# KiCad board keys.kicad_pcb (continued)
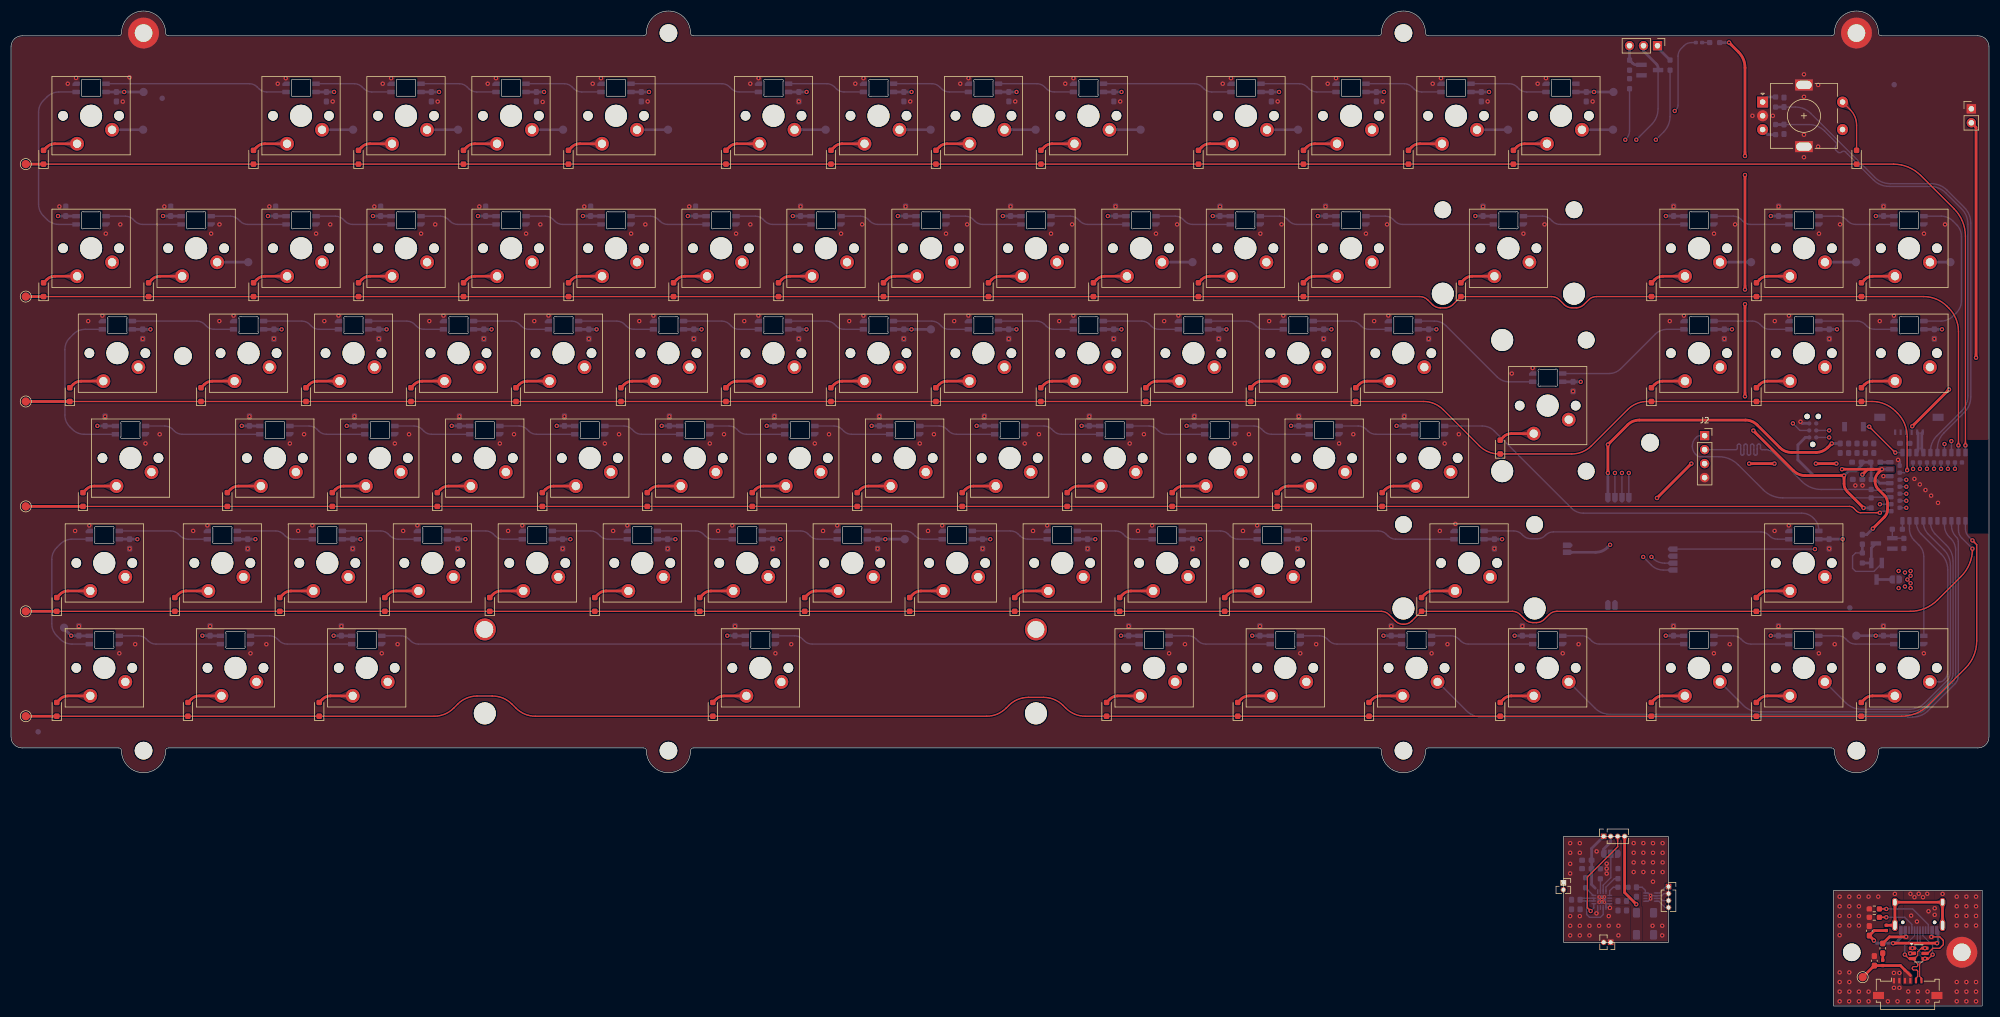
[diagram p0: board, top side]
## Routing (per net, layer and track width the routed paths; a pad name or vN(x,y) marks a point on that pad's centre or on a via; arc(x,y) is an arc through that point) (continued)
COL16: length 149.9
  In2.Cu w0.25: SW47.1 SW30.1 348.21,142.03 arc(347.83,143.94) 346.75,145.56 333.18,159.13 SW86.S1 ; SW47.1 348.28,115.93 ; SW47.1 348.21,111.87 arc(347.83,109.95) 346.75,108.33 342.41,104 arc(341.33,102.38) 340.95,100.46 340.95,87.36 arc(341.33,85.44) 342.41,83.82 346.72,79.51 arc(347.8,77.89) 348.19,75.98 SW85.1
  Bottom w0.25: SW85.1 350,58.84 arc(350.38,58.92) 350.7,59.14 350.86,59.3 arc(351.3,59.95) 351.45,60.71 351.45,79.2 arc(351.15,80.73) 350.28,82.03 346.64,85.67 arc(345.99,86.64) 345.76,87.79 U6.8
  Bottom w0.5: TP18.1 348.23,135.06 SW30.1
DCCH: length 1.7
  Bottom w0.5: U6.25 L3.1
ENCODER_A: length 88.3
  Bottom w0.25: C99.1 323.78,163.22 arc(325.31,162.92) 326.61,162.05 338.18,150.48 arc(339.48,149.61) 341.01,149.31 348.47,149.31 arc(350,149.01) 351.3,148.14 354.45,144.98 arc(355.32,143.68) 355.62,142.15 355.62,110.59 arc(355.32,109.06) 354.45,107.76 350.75,104.06 arc(349.88,102.76) 349.57,101.23 U6.35
  Bottom w0.5: R14.2 C99.1
ENCODER_B: length 87.8
  Bottom w0.25: U6.33 348.31,100.71 arc(348.61,102.24) 349.48,103.54 353.93,107.99 arc(354.8,109.29) 355.1,110.82 355.1,141.95 arc(354.8,143.48) 353.93,144.78 351.07,147.64 arc(349.77,148.51) 348.24,148.81 340.81,148.81 arc(339.28,149.11) 337.98,149.98 332.89,155.07 arc(332.54,155.21) 332.18,155.07 arc(331.83,154.92) 331.48,155.07 331.14,155.41 arc(330.99,155.76) 331.14,156.11 arc(331.28,156.47) 331.14,156.82 329.08,158.88 arc(327.79,159.74) 326.26,160.05 C100.1
  Bottom w0.5: R17.2 C100.1
LED_DATA: length 21.7
  Bottom w0.25: LED85.3 347.1,81.57 arc(346.87,82.72) 346.22,83.69 345.37,84.54 arc(344.72,85.51) 344.5,86.66 U6.9
LED_ENABLE: length 1.5
  Bottom w0.25: R12.2 343.23,86.57 U6.10
LED_PWR: length 2.8
  Bottom w0.5: Q1.3 JP1.1
LED_PWR_SJP: length 299.7
  Bottom w0.5: v1(199.03,143.44) C18.1 200.45,143.41 LED24.1 ; v1(177.7,84.76) C71.1 LED66.1 ; 328.07,122.86 C48.1 v1(331.35,122.86) ; LED10.1 C6.1 v1(96.73,165.96) ; LED7.1 C9.1 v1(163.42,165.97) ; LED15.1 29,143.41 C27.1 v1(27.57,143.44) ; v1(237.13,143.44) C16.1 238.56,143.41 LED26.1 ; LED64.1 C73.1 v1(215.8,84.76) ; v1(270.57,84.76) C75.1 LED62.1 ; v1(249.05,67.23) C83.1 250.48,67.21 LED81.1 ; v1(300.28,67.23) C85.1 301.7,67.21 LED83.1 ; v1(156.17,105.33) C57.1 157.59,105.31 LED55.1 ; v1(332.38,84.76) C76.1 LED61.1 ; LED72.1 C65.1 v1(63.4,84.76) ; v1(201.5,122.86) C42.1 LED38.1 ; v1(272.85,67.23) C84.1 274.28,67.21 LED82.1 ; v1(84.72,143.44) C24.1 86.15,143.41 LED18.1 ; LED80.1 226.65,67.21 C82.1 v1(225.23,67.23) ; LED42.1 C38.1 v1(125.3,122.86) ; LED75.1 12.34,67.21 C77.1 v1(10.92,67.23) 9.62,68.53 TP32.1 ; v1(179.98,143.44) C19.1 181.4,143.41 LED23.1 ; LED17.1 67.1,143.41 C25.1 v1(65.67,143.44) ; v1(79.97,105.33) C53.1 81.39,105.31 LED51.1 ; LED71.1 C66.1 v1(82.45,84.76) ; v1(194.27,105.33) C59.1 195.69,105.31 LED57.1 ; v1(220.56,122.86) C43.1 LED37.1 ; v1(213.32,105.33) C60.1 214.75,105.31 LED58.1 ; LED63.1 C74.1 v1(234.86,84.76) ; v1(196.75,84.76) C72.1 LED65.1 ; LED27.1 267.14,143.41 C29.1 v1(265.72,143.44) ; LED28.1 301.72,143.41 C30.1 v1(300.3,143.44) ; v1(120.55,84.76) C68.1 LED69.1 ; LED48.1 17.09,105.31 C50.1 v1(15.67,105.33) ; LED59.1 233.7,105.31 C61.1 v1(232.28,105.33) ; v1(182.46,165.97) C10.1 LED6.1 ; TP28.1 v1(163.4,122.86) C40.1 LED40.1 ; v1(103.77,143.44) C23.1 105.2,143.41 LED19.1 ; v1(137.12,105.33) C56.1 138.55,105.31 LED54.1 ; LED13.1 C3.1 v1(20.52,165.96) TP29.1 ; v1(129.98,67.23) C80.1 131.4,67.21 LED78.1 ; v1(201.51,165.97) C11.1 LED5.1 ; v1(58.62,165.96) C4.1 LED12.1 ; LED67.1 C70.1 v1(158.65,84.76) TP31.1 ; v1(319.32,67.23) C86.1 320.75,67.21 322.6,67.21 ; LED31.1 C49.1 v1(350.4,122.86) ; v1(122.82,143.44) C22.1 124.24,143.41 LED20.1 ; LED85.1 339.8,67.21 C87.1 v1(338.37,67.23) TP30.1 ; LED14.1 9.95,143.41 C28.1 v1(8.52,143.44) ; LED73.1 C64.1 v1(44.35,84.76) ; v1(49.11,122.86) C34.1 LED46.1 ; v1(249.16,165.96) C13.1 LED3.1 ; LED36.1 C44.1 v1(239.6,122.86) ; v1(41.87,105.33) C51.1 43.3,105.31 45.15,105.31 ; LED2.1 C14.1 v1(268.2,165.96) ; LED4.1 C12.1 v1(230.1,165.96) ; LED44.1 C36.1 v1(87.2,122.86) ; LED70.1 C67.1 v1(101.5,84.76) ; LED68.1 C69.1 v1(139.61,84.76) ; v1(251.42,105.33) C62.1 252.85,105.31 LED60.1 ; 217.98,143.44 C17.1 219.4,143.41 LED25.1 ; v1(319.35,143.44) C31.1 320.77,143.41 LED29.1 ; LED47.1 C33.1 v1(25.3,122.86) ; LED34.1 C46.1 v1(284.85,113.33) ; LED11.1 C5.1 v1(77.67,165.96) ; v1(144.37,165.97) C8.1 LED8.1 ; LED53.1 119.49,105.31 C55.1 v1(118.07,105.33) ; LED9.1 C7.1 v1(115.77,165.96) ; LED76.1 36.15,67.21 C78.1 v1(34.72,67.23) ; LED35.1 C45.1 v1(258.65,122.86) ; v1(312.3,122.86) C47.1 LED33.1 ; LED45.1 C35.1 v1(68.15,122.86) ; v1(60.92,105.33) C52.1 62.34,105.31 LED50.1 ; LED41.1 C39.1 v1(144.35,122.86) ; v1(175.22,105.33) C58.1 176.64,105.31 LED56.1 ; v1(141.87,143.44) C21.1 143.3,143.41 LED21.1 ; v1(106.26,122.86) C37.1 LED43.1 ; LED77.1 59.97,67.21 C79.1 v1(58.55,67.23) ; LED1.1 C15.1 v1(287.25,165.96) TP27.1 ; LED52.1 100.45,105.31 C54.1 v1(99.02,105.33) ; LED79.1 202.84,67.21 C81.1 v1(201.42,67.23) ; LED74.1 C63.1 v1(22.92,84.76) ; v1(46.62,143.44) C26.1 48.05,143.41 LED16.1 ; v1(160.93,143.44) C20.1 162.35,143.41 LED22.1 ; v1(338.4,143.44) C32.1 339.82,143.41 LED30.1 ; LED39.1 C41.1 v1(182.45,122.86)
  vias: v1(218.07,143.44) v1(342.53,78.98) v1(342.53,75.88) v1(343.68,78.71) v1(343.68,76.16) v1(344.12,77.44) v1(344.7,78.98) v1(344.7,78.11) v1(344.7,76.76) v1(344.7,75.88)
LEDS_ROW1: length 34.3
  Bottom w0.25: LED14.2 8.67,141.91 arc(7.52,142.14) 6.55,142.79 5.88,143.46 arc(5.23,144.43) 5,145.58 5,162.29 arc(5.23,163.44) 5.88,164.41 6.55,165.08 arc(7.52,165.73) 8.67,165.96 LED13.3
LEDS_ROW2: length 29.3
  Bottom w0.25: LED31.2 350.26,124.36 arc(351.41,124.59) 352.38,125.24 353.05,125.91 arc(353.7,126.88) 353.93,128.03 353.93,139.74 arc(353.7,140.89) 353.05,141.86 352.38,142.53 arc(351.41,143.18) 350.26,143.41 LED30.3
LEDS_ROW3: length 31.8
  Bottom w0.25: LED48.2 13.27,103.81 arc(12.12,104.04) 11.15,104.69 10.65,105.18 arc(10,106.15) 9.77,107.3 9.77,119.19 arc(10,120.34) 10.65,121.31 11.32,121.98 arc(12.29,122.63) 13.44,122.86 LED47.3
LEDS_ROW4: length 76.1
  Bottom w0.25: LED61.2 328.05,86.37 arc(327.82,87.52) 327.17,88.49 327.05,88.61 arc(326.08,89.26) 324.93,89.48 285.32,89.48 arc(284.17,89.71) 283.2,90.36 269.13,104.43 arc(268.16,105.08) 267.01,105.31 LED60.3
LEDS_ROW5: length 29.3
  Bottom w0.25: LED75.2 11.07,65.71 arc(9.92,65.94) 8.95,66.59 8.28,67.26 arc(7.63,68.23) 7.4,69.38 7.4,81.09 arc(7.63,82.24) 8.28,83.21 8.95,83.88 arc(9.92,84.53) 11.07,84.76 LED74.3
ROW0: length 397.8
  Top w0.25: v1(354.66,101.78) 354.65,101.79 354.65,139.79 arc(354.12,142.46) 352.6,144.74 346.53,150.81 arc(344.25,152.33) 341.58,152.86 D88.1 D13.1 D1.1
  Top w0.5: TP21.1 D1.1
  Bottom w0.25: v1(354.66,101.78) U6.43
ROW1: length 379.1
  Top w0.25: v1(353.38,101.78) 353.38,122.49 arc(352.93,124.79) 351.63,126.73 351.31,127.05 arc(349.36,128.35) 347.06,128.81 D30.1 D28.1 287.7,128.81 arc(286.94,128.66) 286.29,128.22 285.41,127.35 arc(284.76,126.91) 284,126.76 283.25,126.76 arc(282.49,126.91) 281.84,127.35 280.96,128.22 arc(280.31,128.66) 279.55,128.81 D27.1 263.1,128.81 261.64,127.35 arc(260.99,126.91) 260.22,126.76 259.35,126.76 arc(258.59,126.91) 257.94,127.35 257.06,128.22 arc(256.41,128.66) 255.65,128.81 D26.1 D14.1
  Top w0.5: TP22.1 D14.1
  Bottom w0.25: v1(353.38,101.78) U6.41
ROW2: length 359.7
  Top w0.25: v1(344.07,97.28) 344.07,103.4 arc(343.62,105.7) 342.32,107.64 341.96,108 arc(340.01,109.3) 337.71,109.76 D48.1 D46.1 296.9,109.76 arc(294.98,109.38) 293.36,108.3 286.76,101.7 arc(285.14,100.62) 283.23,100.23 D45.1 270,100.23 arc(268.08,100.62) 266.46,101.7 259.86,108.3 arc(258.24,109.38) 256.33,109.76 D44.1 D32.1
  Top w0.5: TP23.1 D32.1
  Bottom w0.25: v1(344.07,97.28) 343.62,96.83 U6.22
ROW3: length 338.8
  Top w0.25: D49.1 D61.1 333.64,90.71 arc(334.02,90.63) 334.34,90.42 334.91,89.85 arc(335.23,89.64) 335.61,89.56 v1(339.12,89.56)
  Top w0.5: TP24.1 D49.1
  Bottom w0.25: v1(339.12,89.56) 339.41,89.84 U6.11
ROW4: length 368.2
  Top w0.25: D62.1 D73.1 248.62,71.66 arc(249.39,71.51) 250.04,71.07 251.21,69.9 arc(251.86,69.46) 252.63,69.31 252.77,69.31 arc(253.54,69.46) 254.19,69.9 D74.1 272.45,71.66 arc(273.21,71.51) 273.86,71.07 274.74,70.2 arc(275.39,69.76) 276.15,69.61 276.82,69.61 arc(277.59,69.76) 278.24,70.2 279.11,71.07 arc(279.76,71.51) 280.53,71.66 D75.1 344.63,71.66 arc(347.3,72.19) 349.58,73.71 353.87,78.01 arc(355.39,80.28) 355.93,82.96 v1(355.93,83.03)
  Top w0.5: TP25.1 D62.1
  Bottom w0.25: U6.2 353.38,86.41 arc(353.54,85.65) 353.97,85 355.93,83.04 v1(355.93,83.03)
ROW5: length 387.5
  Top w0.25: v1(355.93,84.53) 356.7,83.76 356.7,66.28 arc(356.17,63.61) 354.65,61.33 347.98,54.66 arc(345.7,53.14) 343.03,52.61 D86.1 D80.1 194.95,52.61 arc(193.03,52.99) 191.41,54.07 190.91,54.57 arc(189.29,55.65) 187.38,56.03 184.6,56.03 arc(182.68,55.65) 181.06,54.57 180.56,54.07 arc(178.94,52.99) 177.03,52.61 D79.1 95.17,52.61 arc(93.26,52.99) 91.64,54.07 90.89,54.82 arc(89.27,55.9) 87.35,56.28 84.6,56.28 arc(82.68,55.9) 81.06,54.82 80.31,54.07 arc(78.69,52.99) 76.78,52.61 D78.1 D76.1
  Top w0.5: TP26.1 D76.1
  Bottom w0.25: v1(355.93,84.53) 355.24,85.22 arc(354.81,85.87) 354.66,86.63 U6.1
RST: length 30.6
  Top w0.25: v1(341.93,100.48) 341.9,100.48 v1(337.2,105.19)
  In1.Cu w0.25: v1(323.35,105.78) 323.35,106.56 arc(323.5,107.32) 323.94,107.97 324.16,108.2 arc(324.81,108.63) 325.58,108.78 334.01,108.78 arc(335.16,108.56) 336.13,107.91 336.32,107.71 arc(336.97,106.74) 337.2,105.59 v1(337.2,105.19)
  Bottom w0.25: v1(323.35,105.78) 324.63,104.5 J3.3 ; v1(337.2,105.19) SW88.2 ; v1(341.93,100.48) U6.26
SCL: length 79.9
  In2.Cu w0.25: J2.2 306.49,101.02 arc(304.96,100.72) 303.66,99.85 298.85,95.03 arc(297.98,93.73) 297.68,92.2 v1(297.68,81.53)
  Bottom w0.25: J7.3 299.71,19.15 299.34,19.52 U2.7 ; J14.3 300.04,80.41 arc(298.89,80.64) 297.92,81.29 v1(297.68,81.53) ; U6.17 337.68,93.66 R5.2 328.5,93.78 arc(326.58,94.17) 324.96,95.25 319.78,100.43 arc(319.13,100.87) 318.36,101.02 317.7,101.02 arc(317.54,101.09) 317.47,101.26 317.47,101.78 arc(317.39,101.95) 317.23,102.02 317.11,102.02 arc(316.94,101.95) 316.87,101.78 316.87,100.26 arc(316.79,100.09) 316.62,100.02 316.5,100.02 arc(316.34,100.09) 316.26,100.26 316.26,101.78 arc(316.19,101.95) 316.03,102.02 315.91,102.02 arc(315.74,101.95) 315.67,101.78 315.67,100.26 arc(315.59,100.09) 315.43,100.02 315.31,100.02 arc(315.14,100.09) 315.06,100.26 315.06,101.78 arc(314.99,101.95) 314.82,102.02 314.7,102.02 arc(314.54,101.95) 314.47,101.78 314.47,100.26 arc(314.39,100.09) 314.23,100.02 314.11,100.02 arc(313.94,100.09) 313.87,100.26 313.87,101.78 arc(313.79,101.95) 313.62,102.02 313.5,102.02 arc(313.34,101.95) 313.26,101.78 313.26,101.26 arc(313.19,101.09) 313.03,101.02 J2.2
SDA: length 79.8
  In2.Cu w0.25: v1(296.18,81.53) 296.18,93.23 arc(296.48,94.76) 297.35,96.06 303.68,102.39 arc(304.98,103.26) 306.51,103.56 J2.1
  Bottom w0.25: J7.4 300.16,17.88 299.01,19.02 U2.8 ; U6.15 337.68,92.38 R4.2 321.5,92.26 arc(319.58,92.64) 317.96,93.72 313.41,98.27 arc(311.79,99.35) 309.88,99.73 306.54,99.73 arc(306.16,99.81) 305.83,100.03 305.69,100.17 arc(305.25,100.82) 305.1,101.59 305.1,101.71 arc(305.25,102.47) 305.69,103.12 305.83,103.27 arc(306.16,103.48) 306.54,103.56 J2.1 ; J14.4 299.79,79.16 arc(298.64,79.39) 297.67,80.04 v1(296.18,81.53)
SWDCLK: length 27.3
  In1.Cu w0.25: v1(329.93,104.51) 329.98,104.46 348.96,104.46 arc(350.11,104.23) 351.08,103.58 v1(352.1,102.56)
  Bottom w0.25: U6.39 352.12,102.55 v1(352.1,102.56) ; v1(329.93,104.51) 329.92,104.5 J3.4
SWDIO: length 25.2
  In1.Cu w0.25: v1(329.93,103.23) 348.41,103.23 arc(349.56,103.01) 350.53,102.36 v1(350.85,102.03)
  Bottom w0.25: v1(350.85,102.03) 350.85,102.03 U6.37 ; J3.2 v1(329.93,103.23)
SYSOFF: length 89.9
  In2.Cu w0.25: v1(294.93,157.28) 292.51,154.87 arc(291.43,153.25) 291.05,151.34 v1(291.05,96.78)
  Bottom w0.25: Q3.3 298.88,162.89 arc(298.57,161.36) 297.7,160.06 v1(294.93,157.28) ; 291.05,92.06 v1(291.05,96.78)
  Bottom w0.5: JP2.1 289,28.49 290.28,29.77 290.28,30.79 ; Q3.3 298.88,170.32 arc(298.8,170.7) 298.58,171.03 296.24,173.38 SW87.2
USB_D+: length 22.3
  Top w0.2: 346.68,4.6 346.68,5.05 346.35,5.38 346.35,7.64 v1(347.31,8.6) 347.97,8.6 v1(348.7,9.33)
  Bottom w0.2: v1(348.7,9.33) 348.7,10.99 346.93,12.76 J1.B6 ; v1(347.31,8.6) 346.99,8.6 346.38,9.21 346.38,9.85 345.73,10.5 v1(345.04,10.5) 345.93,11.39 J1.A6
  Bottom w0.5: J5.6 346.73,104.01 346.73,101.21 arc(346.8,100.83) 347.02,100.5 U6.31
USB_D-: length 23.9
  Top w0.2: v1(347.31,10.5) 346.65,10.5 346,9.85 346,9.21 345.39,8.6 U5.3 ; 345.68,4.6 345.68,5.05 346,5.38 346,6.3 arc(345.93,6.47) 345.76,6.54 345.24,6.54 arc(345.07,6.61) 345,6.78 345,6.9 arc(345.07,7.07) 345.24,7.14 345.76,7.14 arc(345.93,7.21) 346,7.38 346,7.64 U5.3 ; U5.3 344.38,8.6 v1(343.65,9.33)
  Bottom w0.2: v1(343.65,9.33) 343.65,10.99 345.43,12.76 J1.B7 ; J1.A7 346.43,11.39 v1(347.31,10.5)
  Bottom w0.5: U6.29 345.78,100.5 arc(346,100.83) 346.07,101.21 346.07,104.01 J5.5
~{CHG}: length 106.6
  Top w0.25: 291.55,30.79 291.55,28.91 286.05,23.41 286.05,17.84 v1(286.65,17.24)
  In2.Cu w0.25: v1(292.32,96.78) 292.32,150.86 arc(292.71,152.78) 293.79,154.4 v1(301.9,162.51)
  Bottom w0.25: v1(301.9,162.51) 302.21,162.82 arc(302.42,163.14) 302.5,163.52 302.5,172.46 arc(302.65,173.22) 303.09,173.87 303.56,174.35 arc(304.21,174.78) 304.98,174.94 D87.1 ; U3.9 287.23,17.82 v1(286.65,17.24) ; 292.32,92.06 v1(292.32,96.78)
Net-(C103-Pad1): length 22
  Top w0.5: v1(338.05,11.88) 338.05,11.95 C103.1 338.11,13.69 L2.2 ; v1(341.53,11.4) v1(349.5,11.4)
  Bottom w0.5: v1(349.5,11.4) 349.68,11.57 349.68,13.49 J1.A12 ; J1.A1 342.93,12.38 341.95,11.4 v1(341.53,11.4) 338.53,11.4 v1(338.05,11.88)
Net-(D1-A): length 6.5
  Top w0.5: D1.2 6.51,155.97 arc(7.16,156.4) 7.92,156.56 SW1.2
Net-(D2-A): length 6.5
  Top w0.5: D2.2 44.61,155.97 arc(45.26,156.4) 46.02,156.56 SW2.2
Net-(D3-A): length 6.5
  Top w0.5: D3.2 63.66,155.97 arc(64.31,156.4) 65.07,156.56 SW3.2
Net-(D4-A): length 6.5
  Top w0.5: SW4.2 84.12,156.56 arc(83.36,156.4) 82.71,155.97 D4.2
Net-(D5-A): length 6.5
  Top w0.5: SW5.2 103.17,156.56 arc(102.41,156.4) 101.76,155.97 D5.2
Net-(D6-A): length 6.5
  Top w0.5: SW6.2 131.76,156.56 arc(131,156.41) 130.35,155.97 D6.2
Net-(D7-A): length 6.5
  Top w0.5: SW7.2 150.81,156.56 arc(150.05,156.41) 149.4,155.97 D7.2
Net-(D8-A): length 6.5
  Top w0.5: SW8.2 169.86,156.56 arc(169.1,156.41) 168.45,155.97 D8.2
Net-(D9-A): length 6.5
  Top w0.5: SW9.2 188.91,156.56 arc(188.15,156.41) 187.5,155.97 D9.2
Net-(D10-A): length 6.5
  Top w0.5: D10.2 216.08,155.97 arc(216.73,156.4) 217.5,156.56 SW10.2
Net-(D11-A): length 6.5
  Top w0.5: D11.2 235.14,155.97 arc(235.79,156.4) 236.55,156.56 SW11.2
Net-(D12-A): length 6.5
  Top w0.5: SW12.2 255.6,156.56 arc(254.84,156.4) 254.19,155.97 D12.2
Net-(D13-A): length 6.5
  Top w0.5: SW13.2 274.65,156.56 arc(273.88,156.4) 273.23,155.97 D13.2
Net-(D14-A): length 6.5
  Top w0.5: SW14.2 7.93,132.5 arc(7.16,132.35) 6.51,131.92 D14.2
Net-(D15-A): length 6.5
  Top w0.5: D15.2 25.57,131.92 arc(26.22,132.35) 26.99,132.5 SW15.2
Net-(D16-A): length 6.5
  Top w0.5: D16.2 44.62,131.92 arc(45.27,132.35) 46.03,132.5 SW16.2
Net-(D17-A): length 6.5
  Top w0.5: D17.2 63.67,131.92 arc(64.32,132.35) 65.08,132.5 SW17.2
Net-(D18-A): length 6.5
  Top w0.5: D18.2 82.72,131.92 arc(83.37,132.35) 84.14,132.5 88.2,132.5
Net-(D19-A): length 6.5
  Top w0.5: SW19.2 103.19,132.5 arc(102.43,132.35) 101.78,131.92 D19.2
Net-(D20-A): length 6.5
  Top w0.5: SW20.2 122.24,132.5 arc(121.48,132.35) 120.83,131.92 D20.2
Net-(D21-A): length 6.5
  Top w0.5: SW21.2 141.29,132.5 arc(140.52,132.35) 139.87,131.92 D21.2
Net-(D22-A): length 6.5
  Top w0.5: D22.2 158.92,131.92 arc(159.57,132.35) 160.34,132.5 SW22.2
Net-(D23-A): length 6.5
  Top w0.5: D23.2 177.97,131.92 arc(178.62,132.35) 179.39,132.5 SW23.2
Net-(D24-A): length 6.5
  Top w0.5: SW24.2 198.44,132.5 arc(197.67,132.35) 197.02,131.92 D24.2
Net-(D25-A): length 6.5
  Top w0.5: D25.2 216.07,131.92 arc(216.72,132.35) 217.49,132.5 221.55,132.5
Net-(D26-A): length 6.5
  Top w0.5: D26.2 235.12,131.92 arc(235.77,132.35) 236.54,132.5 240.6,132.5
Net-(D27-A): length 6.5
  Top w0.5: SW27.2 265.12,132.5 arc(264.35,132.35) 263.7,131.92 D27.2
Net-(D28-A): length 6.5
  Top w0.5: D28.2 298.28,131.92 arc(298.93,132.35) 299.7,132.5 SW28.2
Net-(D29-A): length 6.5
  Top w0.5: SW29.2 318.75,132.5 arc(317.98,132.35) 317.33,131.92 D29.2
Net-(D30-A): length 6.5
  Top w0.5: SW30.2 337.8,132.5 arc(337.03,132.35) 336.38,131.92 D30.2
Net-(D32-A): length 6.5
  Top w0.5: D32.2 11.28,112.87 arc(11.93,113.3) 12.7,113.45 SW31.2
Net-(D33-A): length 6.5
  Top w0.5: D33.2 35.09,112.87 arc(35.74,113.3) 36.5,113.45 SW32.2
Net-(D34-A): length 6.5
  Top w0.5: D34.2 54.13,112.87 arc(54.78,113.3) 55.55,113.45 SW33.2
Net-(D35-A): length 6.5
  Top w0.5: SW34.2 74.6,113.45 arc(73.83,113.3) 73.18,112.87 D35.2
Net-(D36-A): length 6.5
  Top w0.5: SW35.2 93.65,113.45 arc(92.89,113.3) 92.24,112.87 D36.2
Net-(D37-A): length 6.5
  Top w0.5: SW36.2 112.7,113.45 arc(111.94,113.3) 111.29,112.87 D37.2
Net-(D38-A): length 6.5
  Top w0.5: 135.81,113.45 131.75,113.45 arc(130.98,113.3) 130.33,112.87 D38.2
Net-(D39-A): length 6.5
  Top w0.5: D39.2 149.39,112.87 arc(150.04,113.3) 150.8,113.45 SW38.2
Net-(D40-A): length 6.5
  Top w0.5: D40.2 168.43,112.87 arc(169.08,113.3) 169.85,113.45 SW39.2
Net-(D41-A): length 6.5
  Top w0.5: D41.2 187.48,112.87 arc(188.13,113.3) 188.9,113.45 SW40.2
Net-(D42-A): length 6.5
  Top w0.5: D42.2 206.54,112.87 arc(207.19,113.3) 207.95,113.45 SW41.2
Net-(D43-A): length 6.5
  Top w0.5: D43.2 225.58,112.87 arc(226.23,113.3) 227,113.45 SW42.2
Net-(D44-A): length 6.5
  Top w0.5: SW43.2 246.05,113.45 arc(245.28,113.3) 244.63,112.87 D44.2
Net-(D45-A): length 6.5
  Top w0.5: SW44.2 272.25,103.93 arc(271.48,103.78) 270.83,103.34 D45.2
Net-(D46-A): length 6.5
  Top w0.5: D46.2 298.28,112.87 arc(298.93,113.3) 299.69,113.45 SW45.2
Net-(D47-A): length 6.5
  Top w0.5: D47.2 317.33,112.87 arc(317.98,113.3) 318.74,113.45 SW46.2
Net-(D48-A): length 6.5
  Top w0.5: D48.2 336.38,112.87 arc(337.03,113.3) 337.8,113.45 SW47.2
Net-(D49-A): length 6.5
  Top w0.5: D49.2 13.66,93.82 arc(14.31,94.25) 15.07,94.41 SW48.2
Net-(D50-A): length 6.5
  Top w0.5: SW49.2 41.27,94.41 arc(40.51,94.25) 39.86,93.82 D50.2
Net-(D51-A): length 6.5
  Top w0.5: SW50.2 60.32,94.41 arc(59.56,94.25) 58.91,93.82 D51.2
Net-(D52-A): length 6.5
  Top w0.5: SW51.2 79.37,94.41 arc(78.61,94.25) 77.96,93.82 D52.2
Net-(D53-A): length 6.5
  Top w0.5: SW52.2 98.43,94.41 arc(97.66,94.25) 97.01,93.82 D53.2
Net-(D54-A): length 6.5
  Top w0.5: D54.2 116.06,93.82 arc(116.71,94.25) 117.47,94.41 SW53.2
Net-(D55-A): length 6.5
  Top w0.5: 140.59,94.41 136.53,94.41 arc(135.76,94.25) 135.11,93.82 D55.2
Net-(D56-A): length 6.5
  Top w0.5: D56.2 154.16,93.82 arc(154.81,94.25) 155.57,94.41 SW55.2
Net-(D57-A): length 6.5
  Top w0.5: D57.2 173.21,93.82 arc(173.86,94.25) 174.62,94.41 SW56.2
Net-(D58-A): length 6.5
  Top w0.5: D58.2 192.26,93.82 arc(192.91,94.25) 193.67,94.41 SW57.2
Net-(D59-A): length 6.5
  Top w0.5: D59.2 211.31,93.82 arc(211.96,94.25) 212.73,94.41 SW58.2
Net-(D60-A): length 6.5
  Top w0.5: D60.2 230.36,93.82 arc(231.01,94.25) 231.78,94.41 235.84,94.41
Net-(D61-A): length 6.5
  Top w0.5: SW60.2 250.82,94.41 arc(250.06,94.25) 249.41,93.82 D61.2
Net-(D62-A): length 6.5
  Top w0.5: SW61.2 10.32,75.35 arc(9.56,75.2) 8.91,74.77 D62.2
Net-(D63-A): length 6.5
  Top w0.5: D63.2 30.33,74.77 arc(30.98,75.2) 31.75,75.35 SW62.2
Net-(D64-A): length 6.5
  Top w0.5: 54.86,75.35 50.8,75.35 arc(50.03,75.2) 49.38,74.77 D64.2
Net-(D65-A): length 6.5
  Top w0.5: SW64.2 69.85,75.35 arc(69.09,75.2) 68.44,74.77 D65.2
Net-(D66-A): length 6.5
  Top w0.5: SW65.2 88.9,75.35 arc(88.13,75.2) 87.48,74.77 D66.2
Net-(D67-A): length 6.5
  Top w0.5: D67.2 106.54,74.77 arc(107.19,75.2) 107.95,75.35 SW66.2
Net-(D68-A): length 6.5
  Top w0.5: SW67.2 127,75.35 arc(126.24,75.2) 125.59,74.77 D68.2
Net-(D69-A): length 6.5
  Top w0.5: SW68.2 146.05,75.35 arc(145.28,75.2) 144.63,74.77 D69.2
Net-(D70-A): length 6.5
  Top w0.5: D70.2 163.68,74.77 arc(164.33,75.2) 165.1,75.35 SW69.2
Net-(D71-A): length 6.5
  Top w0.5: D71.2 182.74,74.77 arc(183.39,75.2) 184.15,75.35 SW70.2
Net-(D72-A): length 6.5
  Top w0.5: D72.2 201.78,74.77 arc(202.43,75.2) 203.2,75.35 SW71.2
Net-(D73-A): length 6.5
  Top w0.5: D73.2 220.84,74.77 arc(221.49,75.2) 222.25,75.35 SW72.2
Net-(D74-A): length 6.5
  Top w0.5: D74.2 256.56,74.77 arc(257.21,75.2) 257.97,75.35 SW73.2
Net-(D75-A): length 6.5
  Top w0.5: D75.2 317.31,74.77 arc(317.96,75.2) 318.72,75.35 SW74.2
Net-(D76-A): length 6.5
  Top w0.5: SW75.2 10.32,56.31 arc(9.56,56.15) 8.91,55.72 D76.2
Net-(D77-A): length 6.5
  Top w0.5: D77.2 32.71,55.72 arc(33.36,56.15) 34.13,56.31 SW76.2
Net-(D78-A): length 6.5
  Top w0.5: SW77.2 57.95,56.31 arc(57.18,56.15) 56.53,55.72 D78.2
Net-(D79-A): length 6.5
  Top w0.5: SW78.2 129.38,56.31 arc(128.61,56.15) 127.96,55.72 D79.2
Net-(D80-A): length 6.5
  Top w0.5: SW79.2 200.82,56.31 arc(200.06,56.15) 199.41,55.72 D80.2
Net-(D81-A): length 6.5
  Top w0.5: D81.2 223.21,55.72 arc(223.86,56.15) 224.63,56.31 SW80.2
Net-(D82-A): length 6.5
  Top w0.5: SW81.2 248.45,56.31 arc(247.69,56.15) 247.04,55.72 D82.2
Net-(D83-A): length 6.5
  Top w0.5: D83.2 270.84,55.72 arc(271.49,56.15) 272.25,56.31 SW82.2
Net-(D84-A): length 6.5
  Top w0.5: SW83.2 299.68,56.31 arc(298.91,56.15) 298.26,55.72 D84.2
Net-(D85-A): length 6.5
  Top w0.5: SW84.2 318.73,56.31 arc(317.96,56.15) 317.31,55.72 D85.2
Net-(D86-A): length 6.5
  Top w0.5: D86.2 336.36,55.72 arc(337.01,56.15) 337.77,56.31 SW85.2
Net-(D87-A): length 1.4
  Bottom w0.25: D87.2 R20.1
Net-(D88-A): length 9.7
  Top w0.25: SW86.S2 333.73,162.76 arc(334.6,161.46) 334.9,159.93 D88.2
Net-(F1-Pad2): length 1.3
  Top w0.5: F1.2 L1.1
Net-(J1-CC1): length 7.5
  Top w0.25: v1(340.3,16.1) R1.1
  Bottom w0.25: J1.A5 344.93,14.81 343.64,16.1 v1(340.3,16.1)
Net-(J1-CC2): length 11.1
  Top w0.25: R2.1 v1(340.3,17.62)
  Bottom w0.25: v1(340.3,17.62) 345.06,17.62 347.93,14.76 J1.B5
Net-(J1-SHIELD): length 18.6
  Top w0.5: L2.1 340.28,14.66 J1.S1 J1.S1 J1.S1 J1.S1
Net-(JP2-C): length 7.5
  Bottom w0.25: U3.15 288.92,21.93 290.3,23.31 JP2.2
Net-(LED1-DIN): length 14
  Bottom w0.25: LED2.2 271.87,167.46 arc(272.64,167.31) 273.29,166.87 273.61,166.55 arc(274.26,166.11) 275.03,165.96 LED1.3
Net-(LED2-DIN): length 14
  Bottom w0.25: LED3.2 252.82,167.46 arc(253.59,167.31) 254.24,166.87 254.56,166.55 arc(255.21,166.11) 255.98,165.96 259.48,165.96
Net-(LED3-DIN): length 14.1
  Bottom w0.25: LED4.2 233.77,167.46 arc(234.54,167.31) 235.19,166.87 235.51,166.55 arc(236.16,166.11) 236.93,165.96 LED3.3
Net-(LED4-DIN): length 23.6
  Bottom w0.25: LED5.2 214.72,167.47 arc(215.48,167.31) 216.13,166.88 216.46,166.55 arc(217.11,166.11) 217.88,165.96 LED4.3
Net-(LED5-DIN): length 14
  Bottom w0.25: LED5.3 189.3,165.97 arc(188.53,166.12) 187.88,166.55 187.56,166.88 arc(186.91,167.31) 186.14,167.47 LED6.2
Net-(LED6-DIN): length 14.1
  Bottom w0.25: LED7.2 167.09,167.47 arc(167.86,167.31) 168.51,166.88 168.84,166.55 arc(169.49,166.11) 170.25,165.96 173.74,165.96 LED6.3
Net-(LED7-DIN): length 14
  Bottom w0.25: LED8.2 148.02,167.47 arc(148.78,167.31) 149.43,166.88 149.76,166.55 arc(150.41,166.12) 151.17,165.97 154.69,165.97
Net-(LED8-DIN): length 23.6
  Bottom w0.25: LED8.3 132.15,165.97 arc(131.38,166.12) 130.73,166.55 130.41,166.87 arc(129.76,167.31) 129,167.46 LED9.2
Net-(LED10-DIN): length 14
  Bottom w0.25: LED10.3 84.5,165.96 arc(83.74,166.11) 83.09,166.55 82.76,166.87 arc(82.11,167.31) 81.35,167.46 LED11.2
Net-(LED10-DOUT): length 14
  Bottom w0.25: LED9.3 103.55,165.96 arc(102.79,166.11) 102.14,166.55 101.81,166.87 arc(101.16,167.31) 100.4,167.46 LED10.2
Net-(LED11-DIN): length 14
  Bottom w0.25: LED12.2 62.3,167.46 arc(63.06,167.31) 63.71,166.87 64.04,166.55 arc(64.69,166.11) 65.45,165.96 LED11.3
Net-(LED12-DIN): length 33.1
  Bottom w0.25: LED13.2 43.25,167.46 arc(44.01,167.31) 44.66,166.87 44.99,166.55 arc(45.64,166.11) 46.4,165.96 LED12.3
Net-(LED14-DIN): length 14.1
  Bottom w0.25: LED15.2 23.9,141.91 arc(23.14,142.06) 22.49,142.5 22.16,142.82 arc(21.51,143.26) 20.75,143.41 LED14.3
Net-(LED15-DIN): length 14
  Bottom w0.25: LED16.2 42.98,141.91 arc(42.21,142.06) 41.56,142.5 41.24,142.82 arc(40.59,143.26) 39.82,143.41 LED15.3
Net-(LED16-DIN): length 14
  Bottom w0.25: LED17.2 62.03,141.91 arc(61.26,142.06) 60.61,142.5 60.29,142.82 arc(59.64,143.26) 58.87,143.41 55.36,143.41
Net-(LED17-DIN): length 14.1
  Bottom w0.25: LED17.3 77.92,143.41 arc(78.69,143.26) 79.34,142.82 79.66,142.5 arc(80.31,142.06) 81.08,141.91 LED18.2
Net-(LED18-DIN): length 14.1
  Bottom w0.25: LED18.3 96.95,143.41 arc(97.71,143.26) 98.36,142.82 98.69,142.5 arc(99.34,142.06) 100.1,141.91 LED19.2
Net-(LED19-DIN): length 14
  Bottom w0.25: LED20.2 119.18,141.91 arc(118.41,142.06) 117.76,142.5 117.44,142.82 arc(116.79,143.26) 116.02,143.41 LED19.3
Net-(LED20-DIN): length 14
  Bottom w0.25: LED20.3 135.07,143.41 arc(135.84,143.26) 136.49,142.82 136.81,142.5 arc(137.46,142.06) 138.23,141.91 LED21.2
